# Altium PCB CTRL V5.2.PcbDoc (continued)
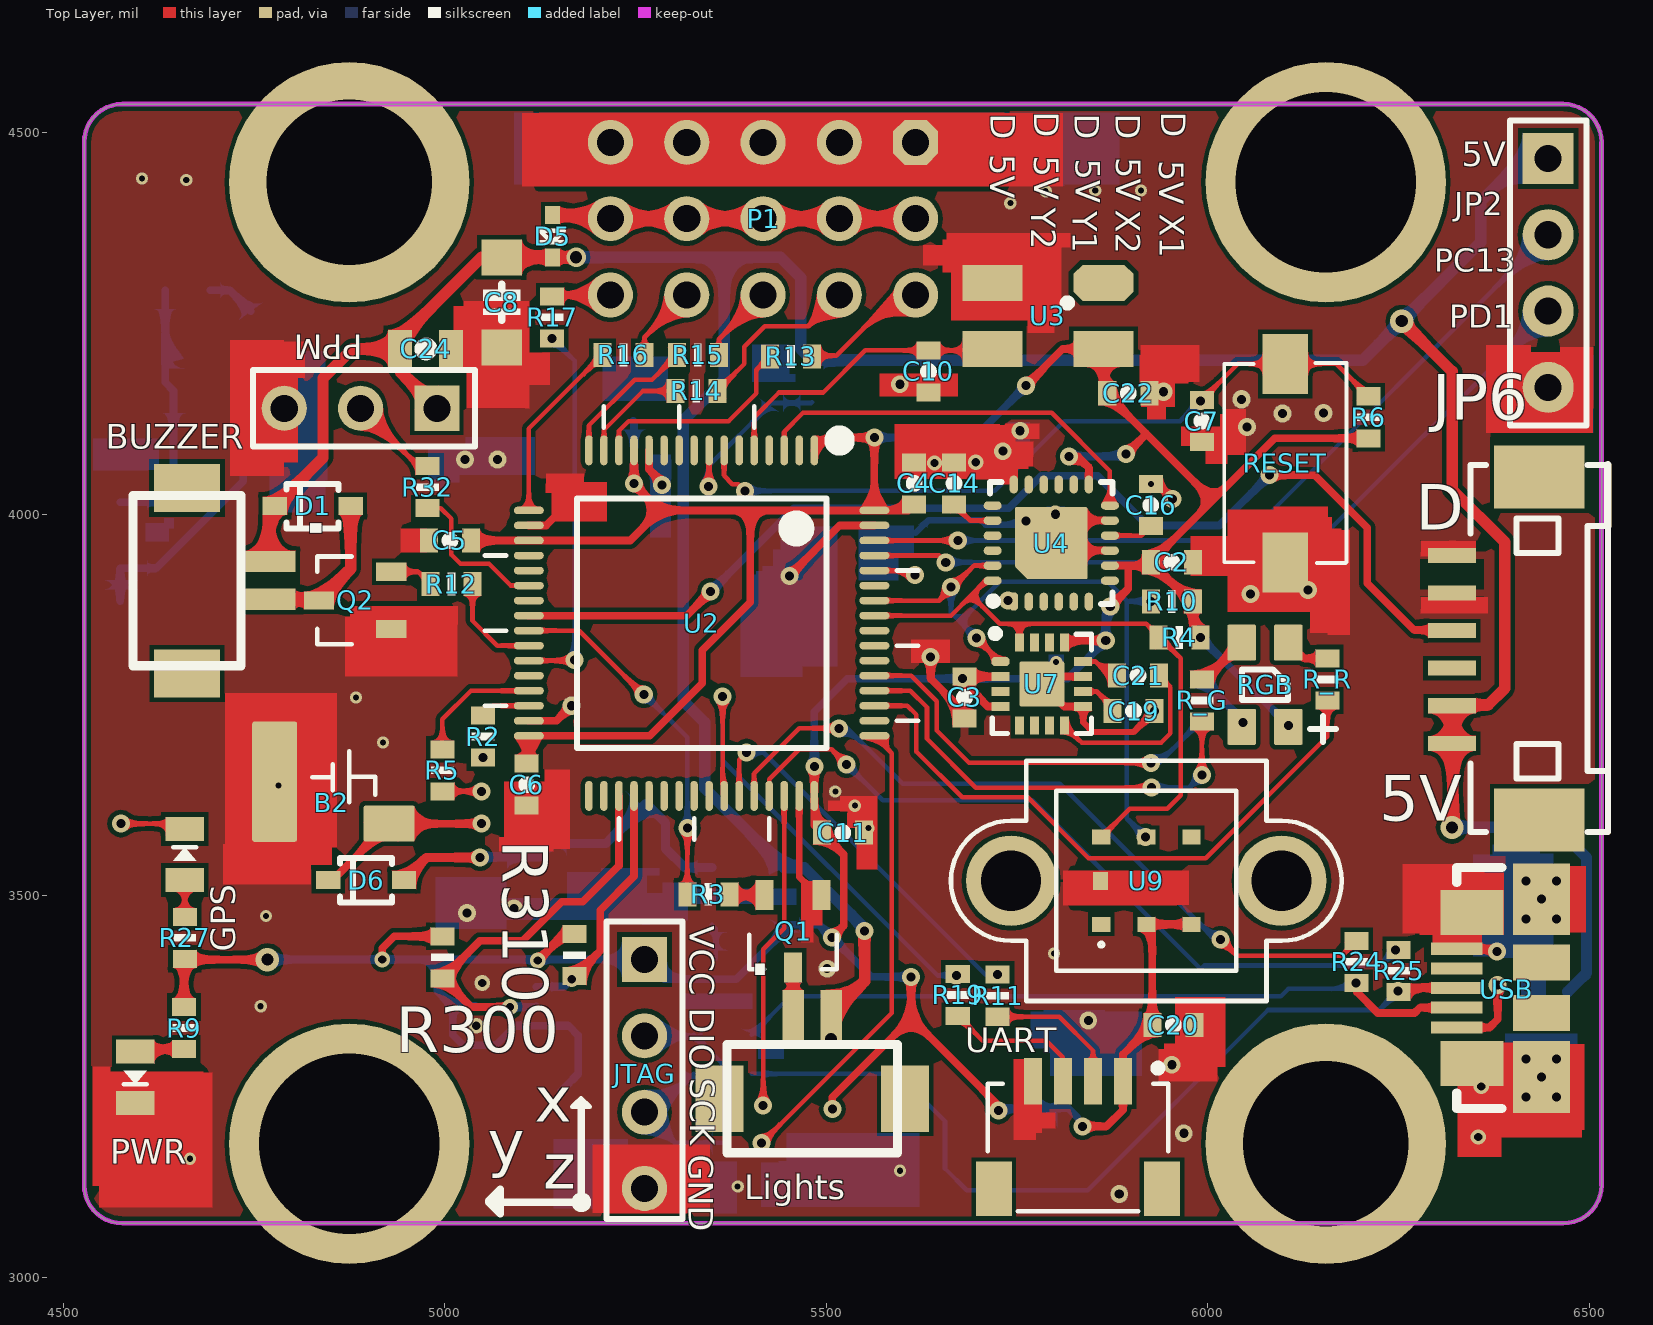
[diagram p0: Top Layer view]
## Nets (pads, with @x,y where several pads share a name; then routed paths per layer and width w, separated by ;. In a path a pad name is that pad's centre, name@x,y a point inside that pad or via, vN(x,y) a via of type N, cw(c..) or ccw(c..) an arc to the next point about the centre after c; other vN are vias at no path point) (continued)
5V: BUZZER.1 C8.A C24.2 D1.C D5.C F1.1 JP2.1 JP6.1 JP6.2 Lights.2 PPM.1 R30.1 U1.3 U6.1 | length 4631.6
  Top Layer w12: D1.C@4769.27,4002.54 D1.C
  Top Layer w15: BUZZER.1 D1.C@4769.27,4002.54 ; D1.C 4840.55,4073.82 4840.55,4178.15 4878.94,4216.54 C24.2 ; PPM.1 4941.46,4187.08 C24.2 ; v7(5172.24,4336.61) D5.C C8.A 5048.23,4336.62 4941.46,4229.85 C24.2 ; v7(5506.3,3312.4) Lights.2 5504.92,3342.5 5550.2,3387.77 v1(5550.2,3453.74) ; v6(6253.94,4252.95) 6319.88,4187.01 6319.88,4032.48 6388.78,3963.58 6388.78,3771.65 6367.13,3750 6320.87,3750 6320.87,3590.55 v6(6319.88,3589.57)
  Bottom Layer w15: v7(5172.24,4336.61) 5366.14,4336.61 ; U1.3 v7(5506.3,3312.4) ; v1(5550.2,3453.74) 5550.2,3457.68 5470.86,3537.02 U6.1 5340.55,3641.15 5340.55,3727.36 5312.28,3755.64 5312.28,4122.31 5366.14,4176.18 5366.14,4336.61 ; v6(6319.88,3589.57) 6456.69,3589.57 6496.06,3550.2 6496.06,3398.9 F1.1 ; JP2.1 6413.98,4466.14 6357.28,4409.45 6357.28,4356.3 v6(6253.94,4252.95) 6202.76,4201.77 R30.1 5466.54,4216.53 5466.54,4310.04 5439.96,4336.61 5366.14,4336.61
ADC: JP6.4 U2.24 | length 1467.3
  Top Layer w10: U2.24 5316.93,3867.13 v1(5348.43,3898.62) ; v1(6080.71,4051.18) 6139.76,4051.18 6208.66,3982.28 6208.66,3909.45 6269.69,3848.43 JP6.4@6320.87,3848.43
  Bottom Layer w10: v1(5348.43,3898.62) 5457.68,4007.87 5739.17,4007.87 5781.5,4050.2 5855.31,4050.2 5920.28,3985.24 6014.76,3985.24 v1(6080.71,4051.18)
BLUE: R_B.2 U2.53 | length 520.8
  Top Layer w6: U2.53 5611.22,3788.39 5644.69,3754.92 5644.69,3716.54 5687.01,3674.21 v1(5925.2,3674.21)
  Bottom Layer w6: v1(5925.2,3674.21) 5936.02,3674.21 R_B.2
BUZZER: R12.2 U2.26 | length 135.5
  Top Layer w6: R12.2 5036.42,3860.24 5068.9,3827.76 U2.26
EXTAL: C10.2 U2.5 U3.3 | length 392.4
  Top Layer w6: U2.5 5405.51,4126.97 5437.99,4159.45 5496.06,4159.45 5551.18,4214.57 C10.2 5715.55,4214.57 U3.3
GND: B2.GND C1.2 C2.2 C3.1 C4.1 C5.1 C6.2 C7.1 C8.C C9.2 C10.1 C11.1 C12.C C14.2 C15.C C16.2 C17.1 C19.1 C20.1 C22.1 C24.1 C26.1 C30.2 JP2.4 JP6.5 JP6.6 JTAG.4 P1.1 P1.4 P1.7 P1.10 P1.13 P40.GND PPM.3 PWR.C Q1.1 Q2.1 R1.1 R31.2 RESET.1 U1.1 U2.12 U2.18 U2.31 U2.47 U2.63 U3.2 U4.1 U4.9 U4.11 U4.18 U4.25 U6.2 U7.9 U7.11 U7.17 U8.2 U9.7 U10.10 U10.12 U10.13 U10.24 U30.1 U30.5 U30.7 UART.4 USB.GND | length 1218
  Top Layer w8: U2.47 5464.57,3524.61 Q1.1@5484.25,3504.92 ; U7.9 5836.61,3727.36 5849.41,3714.57 5902.56,3714.57 v3(5930.12,3742.13) ; U4.9 5820.37,3952.26 5802.65,3969.98 5824.31,3991.63 U4.11 ; v2(5925.2,4039.37) 5934.06,4039.37 v1(5953.74,4019.68)
  Top Layer w10: U2.31 5146.65,3729.33 v1(5166.34,3749.02) ; U2.18 5132.87,3985.24 5163.88,4016.24 ; U2.12 5267.72,4059.05 5284.96,4041.81 v1(5284.96,4038.39) ; v1(5451.77,3919.29) 5517.72,3985.24 U2.63 ; v1(5636.81,3812.99) 5636.81,3784.13 5681.1,3739.84 C3.1 ; v1(5738.19,3886.81) 5736.71,3885.33 U4.1 ; U7.9 5812.01,3748.03 U7.17 5792.32,3787.4 U7.11 ; USB.GND@6326.01,3430.61 6375.49,3430.61 v1(6378.94,3427.17)
  Bottom Layer w8: R1.1 5633.86,3992.13 5702.76,3992.13 5708.66,3986.22 v1@5751.97,3986.22
  Bottom Layer w10: v1@5279.79,4043.56 v1(5284.96,4038.39)
  other v1: 5029.53,3477.36 5090.55,3483.27 6056.1,3895.67 6130.91,3900.59 5761.81,3991.14 5026.57,4071.85 5068.9,4071.85 6051.18,4114.17 6097.44,4131.89 6151.57,4132.87 6044.29,4150.59 5941.93,4160.43
  other v2: 5383.86,3119.09 5596.46,3139.76 4666.34,3155.51 4758.86,3355.32 5798.23,3424.21 4765.75,3473.43 5555.12,3588.58 5537.4,3618.11 5511.81,3636.81 4782.17,3644.49 4919.29,3700.79 4883.86,3759.84 5801.18,3806.1 5741.14,4407.48 5787.4,4423.23 5852.36,4424.21 5912.4,4424.21 4661.42,4437.99 4603.35,4439.96
  other v3: 5883.86,3109.25 5968.5,3188.98 5952.76,3278.54 5843.5,3336.61 5500.98,3404.53 5800.2,4000 5731.3,4082.68 5753.94,4109.25 5596.46,4170.28
  other v4: 6354.33,3184.06 6358.27,3250 5041.29,3329.72 5641.73,4066.93 5695.87,4067.91
  other v5: 5049.21,3385.83
GREEN: R_G.2 U2.52 | length 582.8
  Top Layer w6: U2.52 5610.24,3768.7 5631.89,3747.05 5631.89,3705.71 5695.87,3641.73 v1(5926.18,3641.73) ; v1(5992.13,3658.46) R_G.2
  Bottom Layer w6: v1(5926.18,3641.73) 5975.39,3641.73 v1(5992.13,3658.46)
LIGNTS: R3.1 U2.25 | length 472.7
  Top Layer w6: U2.25 5176.18,3847.44 5260.83,3762.8 v1(5260.83,3763.78) ; R3.1 v1(5317.91,3588.58)
  Bottom Layer w6: v1(5260.83,3763.78) 5261.81,3763.78 5317.91,3707.68 v1(5317.91,3588.58)
MPU_IQR: U2.3 U4.12 | length 538.3
  Top Layer w6: U2.3 5444.88,4108.27 5469.49,4132.87 5795.28,4132.87 5871.55,4056.6 U4.12
MRST: R2.1 U2.30 | length 65.3
  Top Layer w6: R2.1 5062.99,3749.02 U2.30
MTSR: R5.1 U2.29 | length 168.1
  Top Layer w6: R5.1 4997.05,3731.3 5034.45,3768.7 U2.29
NetB2_VCC: B2.VCC D6.C U10.22 | length 231.4
  Top Layer w10: D6.C 4853.35,3520.67 B2.VCC v1(5048.23,3594.49)
NetBUZZER_2: BUZZER.2 D1.A Q2.3 | length 207.5
  Top Layer w15: BUZZER.2 4833.7,3888.39 Q2.3 4876.78,3928.72 D1.A
NetC9_1: C9.1 U6.4 | length 47
  Bottom Layer w6: U6.4 5355.31,3457.09 C9.1
NetC14_1: C14.1 U4.20 | length 59.4
  Top Layer w6: C14.1 5688.49,3991.63 U4.20
NetC16_1: C16.1 U4.10 | length 58.7
  Top Layer w6: U4.10 5912.89,3971.94 C16.1
NetC19_2: C19.2 U7.10 | length 61.9
  Top Layer w6: U7.10 5854.33,3767.72 5877.95,3744.09 C19.2@5877.95,3733.27
NetC21_1: C21.1 U7.8 | length 235.1
  Top Layer w6: U7.8 5834.64,3700.79 5938.98,3700.79 5950.93,3712.74 5950.93,3773.48 C21.1
NetC21_2: C21.2 U7.12 | length 51.9
  Top Layer w6: U7.12 5852.36,3807.09 C21.2@5877.95,3781.5
NetD5_A: D5.A P1.2 P1.5 P1.8 P1.11 P1.14 | length 477.5
  Top Layer w15: D5.A 5212.6,4391.73 P1.14 P1.11 P1.8 P1.5 P1.2
NetF1_2: F1.2 USB.VBUS | length 112.4
  Top Layer w10: USB.VBUS 6368.97,3327.43 6379.7,3338.15 v1(6379.7,3382.87)
  Bottom Layer w10: v1(6379.7,3382.87) 6379.7,3379.16 F1.2@6383.86,3375
NetGPS_A: GPS.A R27.1 | length 48.2
  Top Layer w6: R27.1 GPS.A
NetJTAG_2: JTAG.2 R22.1 U8.5 | length 173.8
  Bottom Layer w6: JTAG.2 5324.8,3316.54 U8.5 5363.19,3280.9 R22.1
NetJTAG_3: JTAG.3 R23.1 U8.4 | length 202.3
  Bottom Layer w6: U8.4 5275.98,3216.54 JTAG.3 5302.17,3176.18 R23.1
NetL1_1: L1.1 R26.2 | length 64.6
  Bottom Layer w10: L1.1 4718.5,4293.31 R26.2
NetL1_2: L1.2 P40.ANT U10.11 | length 338.7
  Bottom Layer w10: U10.11 4622.05,4015.75 4644.69,4038.39 4644.69,4161.93 4633.86,4172.76 L1.2
NetLights_1: Lights.1 Q1.3 | length 64.9
  Top Layer w12: Q1.3 5456.69,3405.74 Lights.1
NetP1_3: P1.3 R13.1 | length 168.8
  Top Layer w6: R13.1@5481.3,4207.68 5512.79,4207.68 5592.32,4287.2 P1.3
NetP1_6: P1.6 R14.1 | length 225.2
  Top Layer w6: R14.1 5392.72,4196.85 5392.72,4219.49 5419.29,4246.06 5475.98,4246.06 P1.6
NetP1_9: P1.9 R15.1 | length 102.5
  Top Layer w6: R15.1 5359.25,4229.33 P1.9
NetP1_12: P1.12 R16.1 | length 101.5
  Top Layer w6: R16.1 5261.81,4231.89 P1.12
NetP1_15: P1.15 R17.1 | length 77.1
  Top Layer w6: R17.1 5142.52,4287.2 P1.15
NetPPM_2: PPM.2 R32.2 | length 119
  Top Layer w6: PPM.2 4965.55,4062.99 R32.2
NetPWR_A: PWR.A R9.2 | length 65.4
  Top Layer w10: PWR.A 4597.96,3299.21 R9.2
NetQ1_2: Q1.2 R3.2 | length 46.4
  Top Layer w10: R3.2 5374.17,3500.83 Q1.2
NetQ2_2: Q2.2 R12.1 | length 58
  Top Layer w6: Q2.2 4965.2,3924.57 R12.1
NetR1_2: R1.2 U2.60 | length 56.6
  Top Layer w6: U2.60 5610.24,3926.18 v1(5616.14,3920.28)
  Bottom Layer w6: v1(5616.14,3920.28) R1.2
NetR2_2: R2.2 U10.20
  other v1: 5050.2,3681.1
NetR5_2: R5.2 U10.21 | length 52.6
  Top Layer w6: R5.2 v1(5048.23,3636.81)
  Bottom Layer w6: v1(5048.23,3636.81) U10.21@5049.21,3635.83
NetR11_1: R11.1 UART.2 | length 183.7
  Top Layer w6: R11.1 5805.12,3341.54 5849.41,3297.24 UART.2
NetR19_1: R19.1 UART.3 | length 191.7
  Top Layer w6: R19.1 5704.72,3310.04 5788.39,3310.04 5810.04,3288.39 UART.3
NetR24_1: R24.1 U8.1 USB.D- | length 978.6
  Top Layer w10: R24.1 6194.88,3374.02 6222.44,3346.46 6270.67,3346.46 6277.64,3353.43 USB.D- USB.D-@6324.94,3352.36
  Bottom Layer w6: U8.1 5452.37,3368.11 6095.47,3368.11 6105.31,3377.95 6186.02,3377.95 v1(6193.9,3385.83)
NetR25_1: R25.1 U8.3 USB.D+ | length 1136.1
  Top Layer w10: R25.1 6255.41,3379.43 USB.D+ USB.D+@6323.55,3381.89
  Bottom Layer w6: U8.3 5593.5,3266.73 5655.51,3204.72 5655.51,3142.72 5684.06,3114.17 5842.52,3114.17 6078.74,3350.39 6224.41,3350.39 v1(6249.02,3375)
NetR26_1: R26.1 U10.8 U10.9 | length 423.4
  Bottom Layer w10: U10.8 U10.9 4622.05,3929.13 4736.22,4043.31 4736.22,4200.79 R26.1
NetR30_2: R30.2 R31.1 U2.8 | length 244.7
  Top Layer w6: v1(5345.47,4036.42) 5346.46,4037.4 U2.8
  Bottom Layer w6: v1(5345.47,4036.42) 5345.47,4062.99 R31.1 5480.31,4145.67 R30.2
NetR_B_1: R_B.1 RGB.B | length 79.9
  Bottom Layer w10: R_B.1 6046.26,3729.33 v1(6046.26,3727.36)
NetR_G_1: R_G.1 RGB.G | length 72.1
  Top Layer w10: R_G.1 5996.06,3783.47 RGB.G
NetR_R_1: R_R.1 RGB.R | length 59.7
  Top Layer w10: RGB.R 6125.98,3811.02 R_R.1
NRST: C7.2 R6.2 RESET.2 U2.7 | length 970.2
  Top Layer w6: U2.7 5366.14,4050.2 5376.97,4039.37 5384.84,4039.37 v1(5393.7,4030.51) ; C7.2 6039.45,4196.93 RESET.2 6168.23,4196.93 R6.2
  Bottom Layer w6: v1(5393.7,4030.51) 5720.47,4030.51 5812.01,4122.05 5963.58,4122.05 v1(5990.16,4148.62)
PC13: JP2.2 U2.62 | length 1048.8
  Top Layer w6: U2.62 v1(5672.24,3965.55)
  Bottom Layer w6: v1(5672.24,3965.55) 6045.28,3965.55 JP2.2
PD1: JP2.3 U2.61 | length 1022.9
  Top Layer w6: U2.61 5647.64,3945.87 v1(5656.5,3937.01)
  Bottom Layer w6: v1(5656.5,3937.01) 6116.73,3937.01 JP2.3
PPM: R32.1 U2.22 | length 202.5
  Top Layer w6: R32.1 4995.08,4007.87 5008.86,3994.09 5008.86,3946.85 5020.67,3935.04 5058.07,3935.04 5086.61,3906.5 U2.22
PPS: GPS.C U10.3 | length 86.5
  Top Layer w6: v1(4575.79,3594.49) 4652.56,3594.49 GPS.C
PURE_3V3: C15.A C17.2 C26.2 D6.A U6.5 U10.23 | length 498.1
  Top Layer w12: D6.A 4976.18,3550.2 v1(5046.26,3550.2)
  Bottom Layer w12: U10.23 C26.2 5141.21,3568.38 C17.2 5211.09,3568.38 C15.A 5289.37,3595.47 5289.37,3562.01 5314.36,3537.02 U6.5
PWM_SERVO: R17.2 U2.27 | length 493.9
  Top Layer w6: U2.27 5169.29,3808.07 v1(5170.28,3809.06)
  Bottom Layer w6: v1(5140.75,4230.31) 5170.28,4200.79 v1(5170.28,3809.06)
PWMX1: R13.2 U2.14 | length 281.7
  Top Layer w6: U2.14 5228.35,4109.25 5241.14,4122.05 5372.05,4122.05 5408.47,4158.47 5408.47,4188.98 R13.2
PWMX2: R14.2 U2.15 | length 141.3
  Top Layer w6: U2.15 5208.66,4110.24 5259.84,4161.42 R14.2
PWMY1: R15.2 U2.16 | length 186
  Top Layer w6: U2.16 5188.98,4116.14 5249.02,4176.18 5271.65,4176.18 R15.2
PWMY2: R16.2 U2.17 | length 243.7
  Top Layer w6: U2.17 5110.24,4112.21 R16.2
RED: R_R.2 U2.51 | length 817.8
  Top Layer w6: U2.51 5606.3,3749.02 5618.11,3737.2 5618.11,3688.98 5678.15,3628.94 5763.78,3628.94 5843.5,3549.21 5997.05,3549.21 6156.5,3708.66 R_R.2
SCL: R10.1 U2.58 U4.23 U7.1 U9.5 | length 901.9
  Top Layer w6: U2.58 5647.64,3886.81 v1@5664.37,3903.54 ; v1(5663.39,3904.53) v1@5665.35,3906.5 ; v1@5666.34,3905.51 5693.4,3932.57 U4.23 ; v1(5696.85,3837.6) 5727.36,3807.09 U7.1 ; v1(5918.31,3576.77) U9.5
  Bottom Layer w6: v1(5663.39,3904.53) 5663.39,3871.06 5675.2,3859.25 ; v1(5696.85,3837.6) 5675.2,3859.25 ; v1(5918.31,3576.77) 5893.7,3601.38 5893.7,3885.83 ; v1(5925.2,3885.83) 5893.7,3885.83 ; 5675.2,3859.25 5727.36,3911.42 5869,3911.42 5893.7,3886.71 5893.7,3885.83
SCL2: R310.1 U2.36 U30.4 | length 324.3
  Top Layer w10: v5(5166.34,3390.75) R310.1 5203.74,3428.15 5203.74,3481.3 5248.03,3525.59 U2.36
  Bottom Layer w10: U30.4 5156.49,3380.91 v5(5166.34,3390.75)
SDA: R4.1 U2.57 U4.24 U7.16 U9.6 | length 823.1
  Top Layer w6: U2.57 5663.39,3867.13 5689.96,3893.7 ; U4.24 5709.15,3912.89 5689.96,3893.7 ; U7.16 5752.95,3856.3 ; U7.16@5753.2,3831.94 U7.16@5753.2,3841.29 ; U9.6 5897.64,3614.17 5946.85,3614.17 5964.57,3631.89 5964.57,3811.02 5919.29,3856.3 5752.95,3856.3 ; 5689.96,3893.7 5727.36,3856.3 5752.95,3856.3
SDA2: R300.1 U2.35 U30.3 | length 523
  Top Layer w10: v5(5085.63,3354.33) 5034.45,3354.33 R300.1 5046.26,3440.94 5102.36,3440.94 5153.54,3492.13 5181.1,3492.13 5228.35,3539.37 U2.35
  Bottom Layer w10: v5(5085.63,3354.33) 5119.14,3354.33 U30.3
SWCLK: R23.2 U2.49 | length 613.4
  Top Layer w6: v1(5415.35,3176.18) 5585.63,3346.46 5585.63,3687.01 U2.49
SWDIO: R22.2 U2.46 | length 418.3
  Top Layer w6: v1(5417.32,3225.39) 5417.32,3430.12 5444.88,3457.68 U2.46
  Bottom Layer w6: v1(5417.32,3225.39) R22.2
UART-R: R11.2 U2.43 | length 510.6
  Top Layer w6: U2.43 5385.83,3678.15 v1(5395.67,3687.99)
  Bottom Layer w6: v1(5395.67,3687.99) 5417.32,3687.99 5708.66,3396.65 v1(5724.41,3396.65)
UART-T: R19.2 U2.42 | length 639.9
  Top Layer w6: v1(5364.17,3760.83) 5364.17,3632.87 U2.42 ; v1(5670.28,3395.67) R19.2
  Bottom Layer w6: v1(5364.17,3760.83) 5364.17,3677.17 5645.67,3395.67 v1(5670.28,3395.67)
USBDM: R24.2 U2.44 | length 975
  Top Layer w6: U2.44 5405.51,3660.43 5464.57,3719.49 v1(5516.73,3719.49) ; v1(6016.73,3442.91) 6038.39,3421.26 6175.2,3421.26 R24.2
  Bottom Layer w6: v1(5516.73,3719.49) 5527.56,3719.49 5600.39,3646.65 5806.1,3646.65 6009.84,3442.91 v1(6016.73,3442.91)
USBDP: R25.2 U2.45 | length 992.4
  Top Layer w6: U2.45 5425.2,3652.56 5464.57,3691.93 5506.89,3691.93 v1(5526.57,3672.24) ; v1(6246.06,3429.13) R25.2
  Bottom Layer w6: v1(5526.57,3672.24) 5573.82,3625 5769.69,3625 5990.65,3404.04 5995.25,3408.64 6225.57,3408.64 v1(6246.06,3429.13)
pads on no net: BUZZER.M$0 BUZZER.M$1 JP6.0 JP6.3 Lights.M$0 Lights.M$1 U2.2 U2.4 U2.6 U2.9 U2.10 U2.11 U2.20 U2.21 U2.23 U2.28 U2.33 U2.34 U2.37 U2.38 U2.39 U2.40 U2.41 U2.50 U2.54 U2.55 U2.56 U2.59 U3.1 U4.2 U4.3 U4.4 U4.5 U4.6 U4.7 U4.14 U4.15 U4.16 U4.17 U4.19 U4.21 U4.22 U7.3 U7.5 U7.6 U7.7 U7.14 U7.15 U9.0 U9.1 U9.4 U10.1 U10.2 U10.4 U10.5 U10.6 U10.7 U10.14 U10.15 U10.16 U10.17 U10.18 U10.19 UART.0 USB. USB.ID

## Polygon pours and split planes (outlines as drawn)
GND on Bottom Layer "Top Layer-No Net" (solid, remove dead copper, pour order 2): 4424.21,4580.71 6580.71,4580.71 6681.1,4681.1 6622.05,4622.05 6622.05,3002.95 4443.9,3002.95 4429.13,3017.72
GND on Top Layer "Top Layer-No Net" (solid, remove dead copper, pour order 4): 4355.31,4636.81 4373.03,4619.09 6740.16,4619.09 6740.16,2857.28 6707.68,2824.8 6561.02,2971.46 4424.21,2971.46

## Keep-outs
Keep-Out Layer:
  lines w6: 4527.56,4380.71 4527.56,4486.22 ; 4527.56,4381.89 4527.56,3157.48 4527.56,3120.87 ccw(c4577.56,3120.87) 4577.56,3070.87 4611.22,3070.87 6415.88,3070.87 6465.75,3070.87 ccw(c6465.75,3120.87) 6515.75,3120.87 6515.75,3153.54 6515.75,4362.2 6515.75,4487.4 ccw(c6465.75,4487.4) 6465.75,4537.4 6352.36,4537.4 4665.35,4537.4 4577.56,4537.4 ccw(c4577.56,4487.4) 4527.56,4487.4

## Other copper
Top Layer:
  rectangle net GND: 5911.42,4173.23 5989.17,4221.46
  rectangle net GND: 4538.78,3248.03 4562.01,3276.18
  rectangle net GND: 4547.24,3091.54 4695.87,3127.95
  rectangle net GND: 4666.34,3091.54 4695.87,3268.7
  rectangle net GND: 5193.9,3084.65 5347.44,3174.21
  rectangle net GND: 6133.86,3844.49 6167.32,3857.28
  rectangle net GND: 6156.5,3841.54 6186.02,3979.33
  rectangle net GND: 5625,4051.18 5719.49,4084.65
  rectangle net GND: 5733.86,4098.65 5779.53,4119.09
  rectangle net GND: 5719.49,4062.99 5748.03,4098.43
  rectangle net GND: 6341.54,3163.39 6372.05,3202.76
  rectangle net GND: 6278.39,3870.08 6367.13,3891.65
  rectangle net GND: 6278.39,3944.88 6351.38,3965.71
  rectangle net GND: 6021.06,4077.54 6049.87,4137.79
  rectangle net GND: 6461.54,4138.78 6504.92,4219.09
  rectangle net GND: 6364.17,4106.3 6423.23,4221.46
  rectangle net GND: 4774.61,4178.15 4816.93,4226.38
  rectangle net GND: 4718.5,4050.2 4789.37,4228.35
  rectangle net GND: 5132.87,4032.48 5182.74,4053.15
  rectangle net GND: 5611.22,3805.21 5661.82,3835.63
  rectangle net GND: 5466.54,3438.98 5483.27,3469.49
  rectangle net GND: 5501.97,3611.22 5527.56,3625
  rectangle net GND: 5518.27,3616.58 5527.56,3630.51
  rectangle net GND: 5527.56,3611.22 5566.93,3630.51
  rectangle net GND: 5779.53,3194.88 5800.2,3216.38
  rectangle net GND: 5745.08,3180.12 5774.61,3238.19
  rectangle net GND: 5760.83,3188.98 5782.48,3207.68
  rectangle net GND: 5810.04,3487.2 5823.82,3533.46
  rectangle net GND: 5949.8,3488.19 5975.39,3533.46
  rectangle net GND: 6254.92,3450.79 6362.2,3541.34
  rectangle net GND: 6294.29,3430.61 6359.39,3453.74
  rectangle net GND: 5935.32,3256.92 6012.65,3299.55
  rectangle net GND: 5071.26,3558.07 5142.72,3577.24
  rectangle net GND: 5131.03,3561.02 5164.37,3665.34
  rectangle net GND: 4709.65,3514.76 4824.8,3567.91
  rectangle net GND: 4711.9,3563.13 4858.75,3765.65
  rectangle net GND: 5004.92,3855.32 5017.72,3879.92
  rectangle net GND: 4869.49,3787.4 5016.73,3866.14
  rectangle net GND: 4942.32,3949.8 4967.52,3981.3
  rectangle net GND: 5106.3,4169.29 5137.8,4211.61
  rectangle net GND: 5028.54,4138.19 5111.38,4184.88
  rectangle net GND: 5024.35,4260.83 5111.22,4279.13
  rectangle net GND: 5725.39,4062.23 5771.74,4095.47
  rectangle net GND: 5721.46,4088.58 5742.13,4117.13
  rectangle net GND: 5763.78,4237.2 5799.21,4259.84
  rectangle net GND: 5788.39,4248.03 5808.07,4356.3
  rectangle net GND: 5657.8,4349.41 5819.88,4368.7
  rectangle net GND: 5626.4,4325.79 5682.09,4352.59
  rectangle net GND: 5101.38,4429.13 5810.04,4525.59
  rectangle net GND: 5760.83,3207.68 5782.48,3228.35
  rectangle net GND: 6379.92,3237.2 6435.04,3308.07
  rectangle net GND: 6372.05,3183.07 6490.16,3252.95
  rectangle net GND: 6464.57,3192.91 6493.11,3306.1
  rectangle net GND: 6463.58,3451.77 6495.08,3539.37
  rectangle net GND: 5910.56,4171.26 5974.41,4208.6
  rectangle net GND: 5518.27,3610.24 5536.42,3616.58
  rectangle net GND: 5527.56,3598.43 5566.93,3624.02
  rectangle net GND: 5745.08,3238.19 5774.61,3286.42
  rectangle net GND: 5823.82,3487.2 5959.65,3533.46
  rectangle net GND: 6375.98,4106.54 6504.53,4212.6
  rectangle net GND: 6014.76,3919.29 6045.28,3971.46
  rectangle net GND: 6015.87,4078.45 6033.75,4131.29
  rectangle net GND: 5746.06,4058.95 5765.25,4073.82
  rectangle net GND: 5589.57,4065.94 5727.36,4118.11
  rectangle net GND: 5695.87,4045.28 5750.98,4080.71
  rectangle net GND: 5212.6,3083.66 5317.91,3162.4
  rectangle net GND: 4538.78,3120.08 4684.06,3269.68
  rectangle net GND: 4724.41,3540.67 4852.25,3755.91
  rectangle net GND: 4948.82,3949.8 4976.38,3981.3
  rectangle net GND: 6277.56,3448.82 6387.8,3530.51
  rectangle net GND: 6326.77,3157.48 6384.84,3254.92
  rectangle net GND: 5942.3,3276.57 5969.49,3306.44
  rectangle net GND: 5956.69,3275.95 6022.96,3367.41
  rectangle net GND: 5466.54,3461.14 5495.32,3481.3
  rectangle net GND: 5077.76,3572.83 5153.54,3588.58
  rectangle net GND: 5131.03,3572.83 5153.54,3658.84
  rectangle net GND: 4875.98,3798.23 5004.92,3879.92
  rectangle net GND: 4734.25,4067.91 4808.07,4206.69
  rectangle net GND: 5091.54,4201.77 5121.06,4211.61
  rectangle net GND: 5028.54,4144.69 5104.33,4192.91
  rectangle net GND: 5011.81,4184.88 5111.38,4272.64
  rectangle net GND: 5123.45,4429.13 5733.27,4526.19
  rectangle net GND: 5652.56,4316.93 5675.2,4360.24
  rectangle net GND: 5664.37,4257.87 5798.23,4362.2
  rectangle net GND: 5131.89,4027.56 5153.54,4040.35
  rectangle net GND: 5139.76,3990.16 5212.6,4042.32
  rectangle net GND: 5569.88,4154.53 5600.39,4184.06
  rectangle net GND: 6043.31,3968.5 6162.4,3996.06
  rectangle net GND: 6054.13,3872.05 6157.48,3981.3
  rectangle net GND: 5965.05,4089.49 6021.65,4115.16
  rectangle net GND: 5920.2,4124.26 5945.04,4184.21
  rectangle net GND: 5589.41,4046.1 5693.07,4089.72
  rectangle net GND: 5156.5,4437.01 5677.17,4515.75
  rectangle net GND: 4736.22,3558.07 4827.76,3743.11
  rectangle net GND: 4900.28,3827.76 4972.44,3870.08
  rectangle net GND: 4556.1,3187.01 4644.69,3256.89
  rectangle net GND: 5668.15,4269.53 5766.89,4336.77
  rectangle net GND: 5144.69,3990.16 5185.04,4032.48
  rectangle net GND: 4887.8,3813.98 4988.19,3878.94
  rectangle net GND: 5466.54,3481.3 5484.25,3519.68
  rectangle net GND: 5539.37,3534.45 5566.93,3611.22
  rectangle net GND: 5527.4,3588.58 5555.12,3608.43
  rectangle net GND: 4538.78,3157.48 4666.34,3254.92
  rectangle net GND: 5589.41,4046.1 5708.66,4103.35
  rectangle net GND: 6025.59,3872.05 6090.55,4005.91
  rectangle net GND: 6085.63,3981.3 6157.48,4009.84
  rectangle net GND: 5977.36,3919.29 6014.76,3971.46
  rectangle net GND: 6151.57,3872.05 6165.64,3970.47
  rectangle net GND: 6157.48,3963.58 6175.2,3981.3
  rectangle net GND: 6133.86,3857.28 6173.23,3878.94
  rectangle net GND: 6157.48,3953.74 6172.24,3972.44
  rectangle net GND: 5912.4,4140.75 5956.69,4195.87
  rectangle net GND: 5663.39,4253.94 5782.48,4350.39
  rectangle net GND: 5660.43,4437.01 5701.77,4516.73
  rectangle net GND: 5138.78,4438.98 5174.21,4516.73
  rectangle net GND: 6391.73,4128.18 6504.53,4194.88
  rectangle net GND: 6294.51,3468.5 6387.8,3517.35
  rectangle net GND: 6334.65,3206.69 6378.94,3264.76
  rectangle net GND: 5056.1,4163.39 5090.55,4257.87
  rectangle net GND: 4749.02,4086.61 4808.07,4184.06
  rectangle net GND: 5600.39,4154.53 5672.24,4184.06
  rectangle net GND: 5725.39,4038.87 5745.57,4060.04
  rectangle net GND: 5077.76,3588.58 5142.72,3649.61
  rectangle net GND: 5997.13,4065.94 6025.59,4094.49
  rectangle net GND: 5956.69,3292.32 6008.86,3359.25
  rectangle net GND: 5834.65,3500.98 5903.54,3521.65
Bottom Layer:
  rectangle net GND: 4770.67,4024.61 4793.31,4098.43
  rectangle net GND: 4778.54,4001.97 4843.5,4213.58
  rectangle net GND: 5090.55,4432.09 5883.86,4526.57
  rectangle net GND: 6347.44,3420.28 6386.81,3554.13
  rectangle net GND: 6410.43,3361.22 6442.91,3385.83
  rectangle net GND: 5447.83,3092.52 5622.05,3188.98
  rectangle net GND: 5414.37,3092.52 5469.49,3150.59
  rectangle net GND: 5142.72,3090.55 5240.16,3181.1
  rectangle net GND: 5738.19,4093.5 5767.01,4121.06
  rectangle net GND: 4539.37,4058.07 4625.98,4099.01
  rectangle net GND: 4632.23,3981.13 4645.11,3994.68
  rectangle net GND: 5791.34,3795.94 5811.58,3815.94
  rectangle net GND: 5788.39,3986.22 5812.99,4009.84
  rectangle net GND: 5751.06,3980.32 5783.46,3996.79
  rectangle net GND: 5542.32,3913.39 5594.49,3985.24
  rectangle net GND: 5397.64,3865.16 5443.9,3921.26
  rectangle net GND: 5387.8,3786.42 5468.5,3877.95
  rectangle net GND: 5449.68,3800.2 5514.76,3984.01
  rectangle net GND: 5313.98,3489.17 5406.5,3509.84
  rectangle net GND: 5352.36,3083.66 5361.22,3101.38
  rectangle net GND: 5361.22,3083.66 5382.87,3151.57
  rectangle net GND: 5414.37,3286.42 5444.49,3300.2
  rectangle net GND: 5310.04,3351.38 5403.15,3372.05
  rectangle net GND: 5206.69,4148.62 5292.32,4206.69
  rectangle net GND: 5267.86,4063.98 5296.47,4078.31
  rectangle net GND: 5444.88,4173.23 5459.5,4183.59
  rectangle net GND: 4993.66,4034.16 5004.71,4043.31
  rectangle net GND: 4978.35,4041.34 5019.69,4089.57
  rectangle net GND: 5027.29,4051.18 5118.11,4101.25
  rectangle net GND: 5268.21,4045.28 5297.24,4071.51
  rectangle net GND: 5221.3,4155.35 5272.8,4198.98
  rectangle net GND: 5402.4,4173.23 5451.77,4222.6
  rectangle net GND: 6401.48,4165.35 6430.12,4204.11
  rectangle net GND: 6417.32,4149.61 6505.91,4208.66
  rectangle net GND: 6379.92,4106.3 6504.92,4175.2
  rectangle net GND: 6373.03,3548.23 6435.04,3566.93
  rectangle net GND: 6410.43,3385.83 6442.91,3424.21
  rectangle net GND: 5793.31,3263.78 5913.39,3348.43
  rectangle net GND: 5162.4,3116.54 5261.81,3169.29
  rectangle net GND: 5325.79,3099.41 5361.22,3151.57
  rectangle net GND: 5767.72,3300.2 5799.21,3348.43
  rectangle net GND: 5410.43,3286.42 5437.99,3300.2
  rectangle net GND: 5322.83,3351.38 5396.65,3371.06
  rectangle net GND: 4539.37,4057.09 4611.22,4092.52
  rectangle net GND: 4778.54,4044.29 4846.46,4192.91
  rectangle net GND: 5408.18,3845.47 5442.91,3925.49
  rectangle net GND: 5399.61,3825.79 5450.79,3870.08
  rectangle net GND: 5439.96,3810.04 5500,3967.52
  rectangle net GND: 5560.04,3947.83 5578.74,3985.24
  rectangle net GND: 6364.17,3420.28 6400.59,3554.13
  rectangle net GND: 5437.13,3092.52 5469.49,3152.43
  rectangle net GND: 5447.83,3093.5 5603.35,3178.43
  rectangle net GND: 5285.43,3498.03 5329.72,3517.72
  rectangle net GND: 5204.72,3526.57 5281.55,3536.57
  rectangle net GND: 5204.72,3465.55 5264.76,3526.57
  rectangle net GND: 5304.13,3467.52 5318.9,3503.94
  rectangle net GND: 5406.5,3488.19 5460.63,3509.84
  rectangle net GND: 5160.43,3497.05 5207.68,3531.5
  rectangle net GND: 4608.27,3964.45 4638.62,3988.19
  rectangle net GND: 5125.65,4430.12 5812.01,4525.6
  rectangle net GND: 5268.7,3969.49 5296.26,4021.65
  rectangle net GND: 4998.03,3480.32 5078.74,3507.87
  rectangle net GND: 5204.72,3089.57 5321.85,3142.72
  rectangle net GND: 5456.54,3106.24 5555.28,3160.59
  rectangle net GND: 5784.45,3294.13 5865.31,3350.39
  rectangle net GND: 6389.51,3205.43 6484.51,3319.43
  rectangle net GND: 4995.08,4051.18 5101.38,4089.57
  rectangle net GND: 5162.4,4447.83 5708.66,4521.65
  rectangle net GND: 5430.12,3885.83 5471.46,3940.94
  rectangle net GND: 4988.19,3456.69 5080.71,3524.61
  rectangle net GND: 5074.8,3468.5 5207.68,3497.05
  rectangle net GND: 5264.76,3465.55 5304.13,3503.94
  rectangle net GND: 5257.87,3462.6 5268.7,3484.25
  rectangle net GND: 5277.56,4018.41 5296.47,4063.98
  rectangle net GND: 5277.56,4013.78 5284.45,4063.98
  rectangle net GND: 5268.7,4013.78 5277.56,4060.04
  rectangle net GND: 5430.12,3858.27 5485.24,3953.74
  rectangle net GND: 5416.34,3865.16 5443.9,3932.09
  rectangle net GND: 5578.74,3947.83 5615.16,3985.24
  rectangle net GND: 6393.7,4135.14 6504.53,4179.13
  rectangle net GND: 6382.87,3418.31 6452.76,3555.12
  rectangle net GND: 5447.83,3094.49 5578.74,3170.28
  rectangle net GND: 5182.09,3094.49 5339.57,3160.43
  rectangle net GND: 4755.91,4086.61 4837.6,4175.2
  rectangle net GND: 5137.8,4439.96 5753.94,4513.78

## Silkscreen, mask and mechanical layers (free items; w line width, h text height)
Top Overlay:
  circle w10: c5179.13,3098.43 r7.87
  lines w6: 5167.32,3223.43 5171.26,3227.36 5178.64,3234.74 5189.96,3223.43 5167.32,3223.43
  lines w10: 5058.07,3100.39 5072.83,3115.16 5072.83,3083.66 5058.07,3098.43 5179.13,3098.43 5179.13,3230.32
  text "D" at 5772.64,4527.56 h32 r270
  text "D" at 5938.98,4527.56 h32 r270
  text "D" at 5715.55,4524.61 h32 r270
  text "D" at 5825.79,4524.61 h32 r270
  text "D" at 5878.94,4524.61 h32 r270
  text "5V" at 5714.57,4471.46 h32 r270
  text "5V" at 5772.64,4469.49 h32 r270
  text "5V" at 5879.92,4467.52 h32 r270
  text "5V" at 5826.77,4465.55 h32 r270
  text "5V" at 5936.02,4463.58 h32 r270
  text "5V" at 6332.68,4455.71 h32
  text "Y2" at 5768.7,4401.57 h32 r270
  text "X2" at 5878.94,4398.62 h32 r270
  text "Y1" at 5822.83,4396.65 h32 r270
  text "X1" at 5937.01,4393.7 h32 r270
  text "PC13" at 6296.26,4317.91 h30
  text "PD1" at 6315.94,4244.09 h30
  text "D" at 6272.64,3979.33 h60
  text "5V" at 6224.41,3598.43 h60
  text "VCC" at 5320.87,3460.83 h32 r270
  text "DIO" at 5320.87,3353.54 h32 r270
  text "SCK" at 5321.85,3261.02 h32 r270
  text "x" at 5118.11,3203.74 h60
  text "GND" at 5319.88,3160.63 h32 r270
  text "y" at 5056.1,3146.65 h60
  text "z" at 5128.94,3116.14 h60